# KiCad board FC_V5b.kicad_pcb (continued)
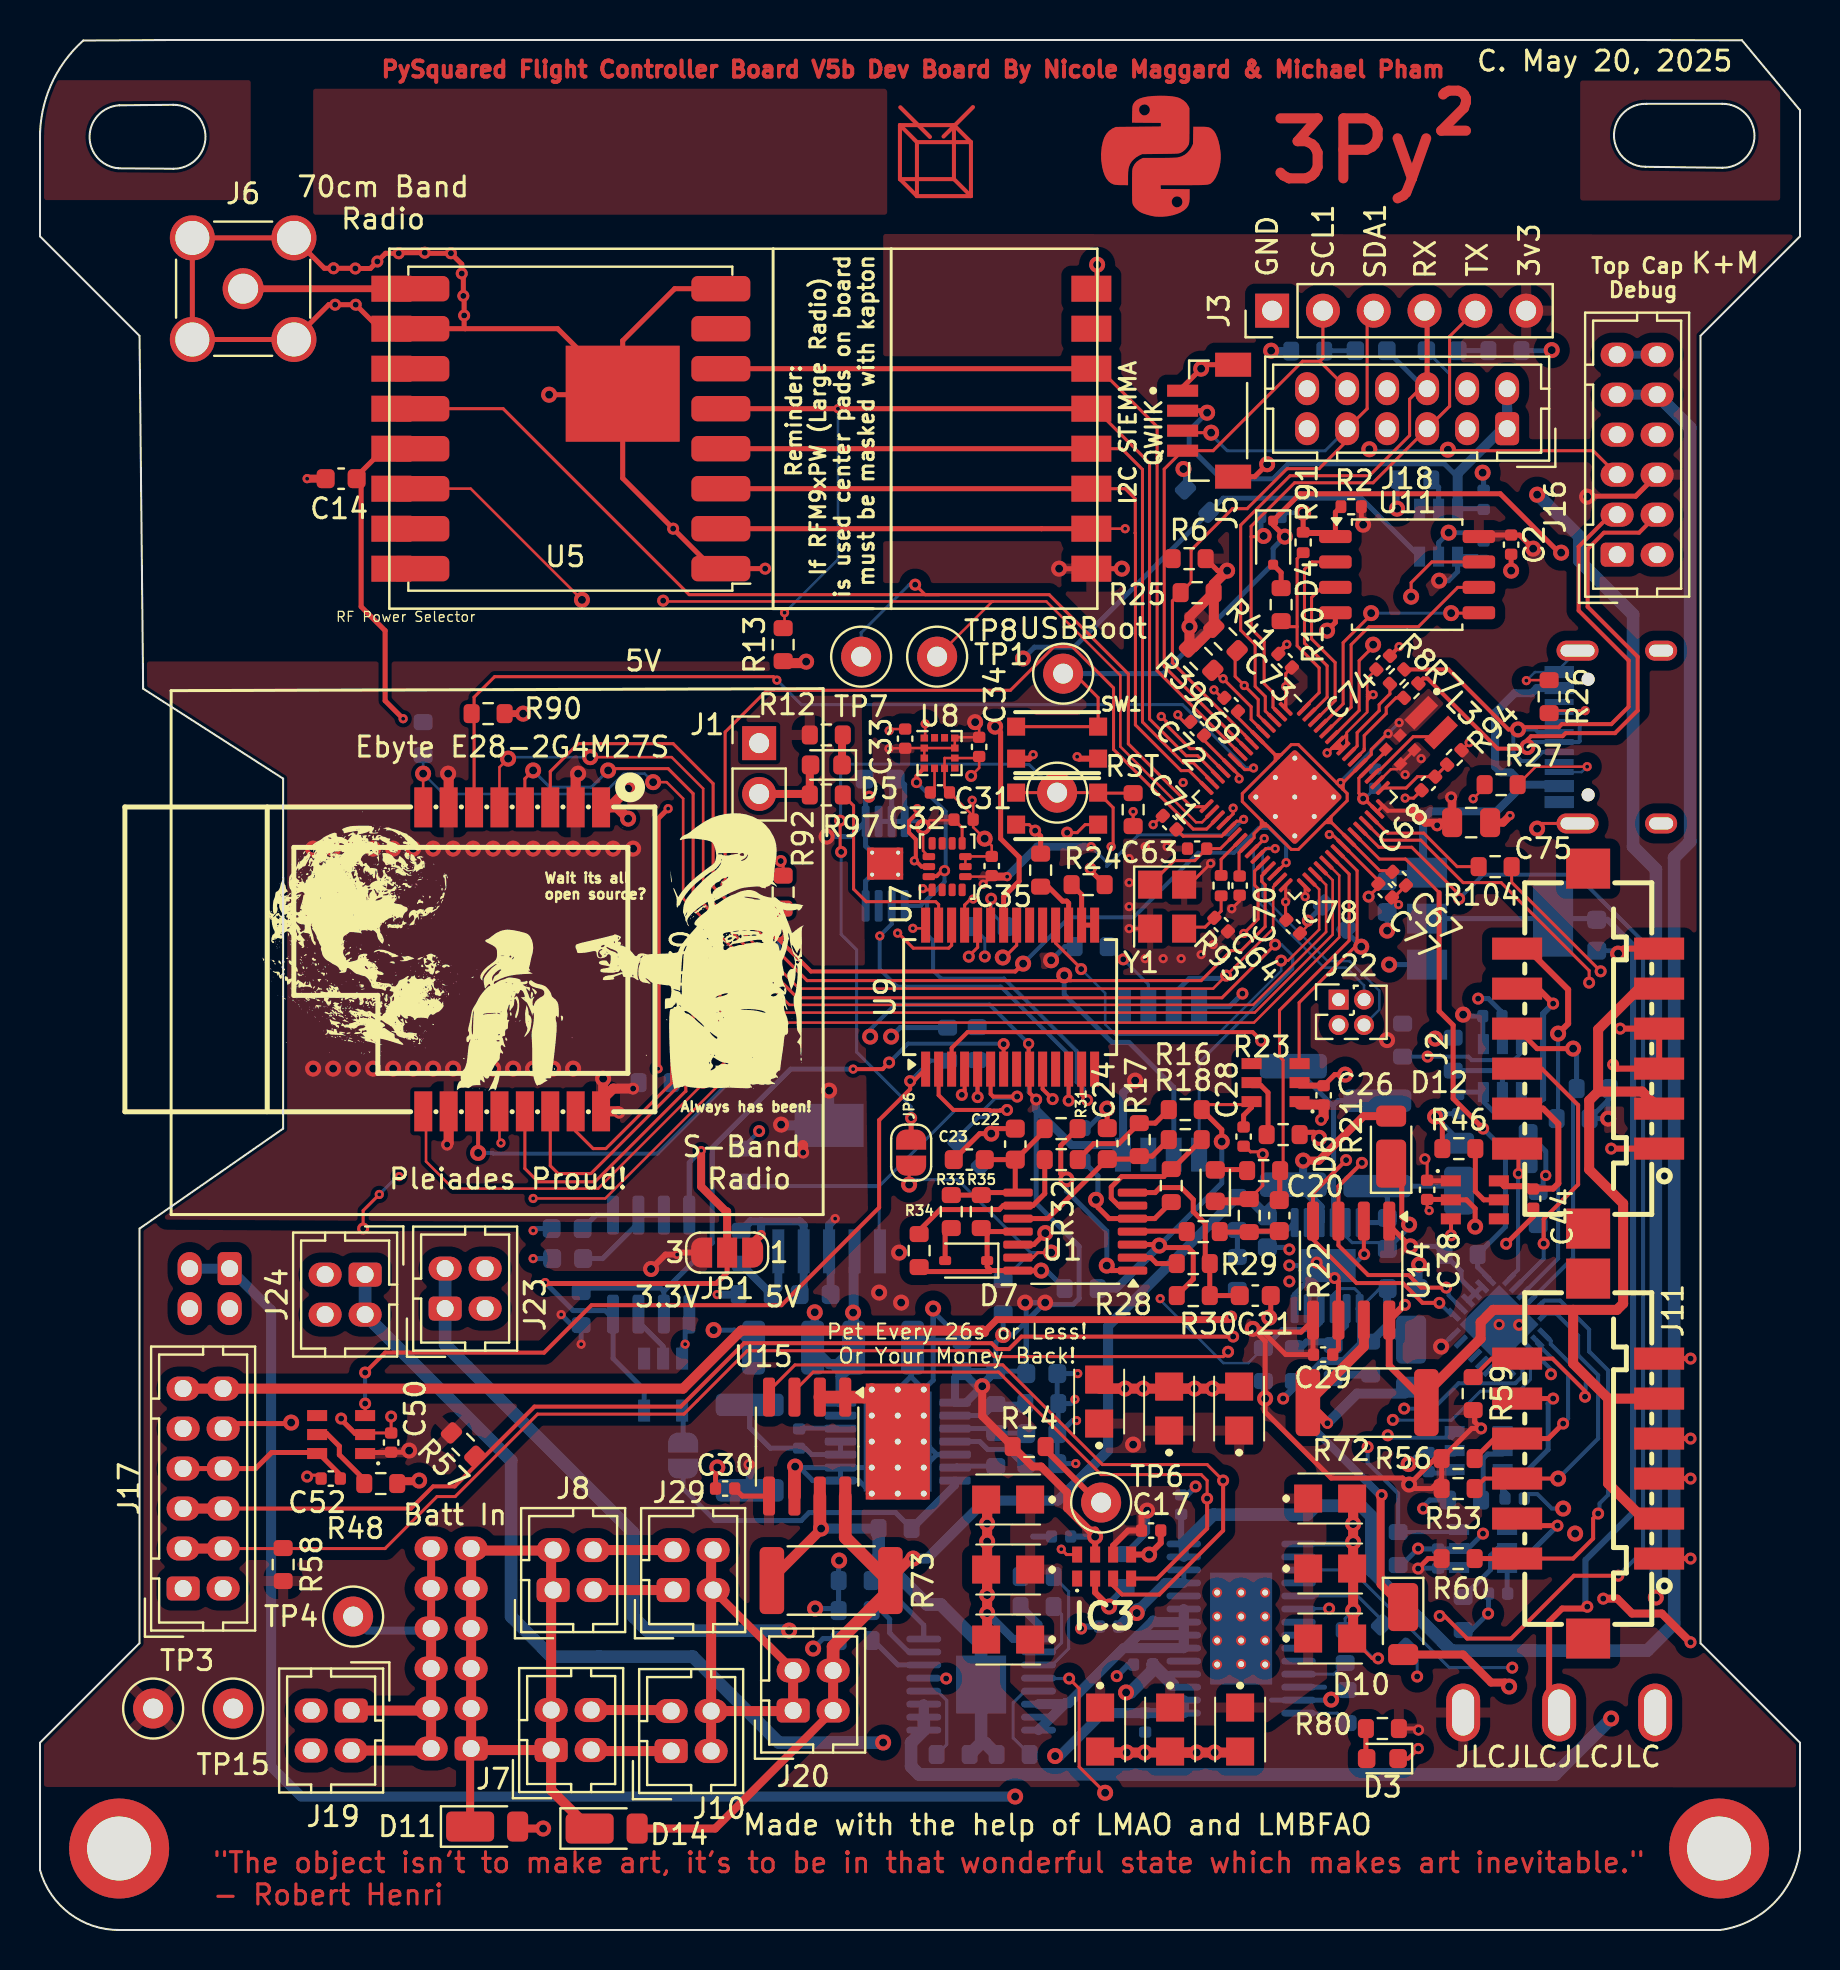
[diagram p0: board, top side]
## Routing (per net, layer and track width the routed paths; a pad name or vN(x,y) marks a point on that pad's centre or on a via; arc(x,y) is an arc through that point) (continued)
+1V1: length 38.8
  Top w0.152: 64.26,55.37 62.92,54.03 62.56,54.03 61.39,55.21 ; 64.26,55.37 64.41,55.52 ; 64.26,55.37 64.58,55.37 ; 61.06,55.17 61.21,55.33 ; 61.06,55.17 61.06,55.18 61.06,55.48 ; 61.06,55.17 61.09,55.21 61.39,55.21 ; 61.06,55.17 60.7,54.82 60.7,54.62 U18.23 59.95,53.87 59.95,52.73 C70.1 ; 61.21,55.33 61.27,55.33 61.39,55.21 ; 61.21,55.33 61.06,55.48 ; 65.14,57.05 64.99,57.2 ; 65.14,57.05 65.16,57.07 65.16,57.37 ; 65.14,57.05 65.36,56.83 65.36,56.48 64.56,55.67 ; 64.99,57.2 64.84,57.35 ; 64.99,57.2 65.16,57.37 ; U18.6 61.76,58.77 61.76,58.47 ; U18.6 61.75,58.77 62.06,58.77 ; U18.6 60.88,59.65 61.91,58.62 ; U18.6 59.9,60.63 C69.1 ; 62.06,58.77 61.91,58.62 ; 62.06,58.77 62.56,59.28 62.91,59.28 64.84,57.35 ; 64.56,55.37 64.56,55.67 ; 64.56,55.37 64.41,55.52 ; 64.56,55.37 64.58,55.37 ; 64.56,55.67 64.41,55.52 ; 64.84,57.35 64.86,57.37 65.16,57.37 ; 61.91,58.62 61.76,58.47 ; 61.06,55.48 60.12,56.43 60.12,56.83 61.76,58.47 ; 65.16,57.37 66.02,58.23 U18.50 66.56,58.78 66.56,59.03 67.27,59.74 67.32,59.74 v3(67.41,59.82) ; C67.1 67.56,52.97 66.98,52.97 U18.39 64.58,55.37
  Bottom w0.152: v3(65.03,57.37) 65.03,57.45 v3(67.41,59.82) v3(67.96,60.37)
/3v3 Spec: length 51.8
  Top w0.3: v2(77.36,16.17) 77.27,16.07 76.1,16.07 75.46,15.43 75.46,11.37 SW3.2
  Bottom w0.25: 77.74,50.57 IC2.4 IC2.2
  Bottom w0.3: 77.84,50.52 78.37,50.52 79.66,49.23 79.66,20.89 77.27,18.5 77.27,16.26 v2(77.36,16.17)
GND: length 406.6
  Top w0.127: C33.2 42.54,60.05 v3(42.46,59.97) ; 67.89,58.05 67.55,58.05 66.86,57.36 ; v2(46.56,57.71) 46.96,58.11 C34.2 46.88,58.6 U8.8 45.23,58.6 ; C32.2 46.66,55.15 v1(47.23,54.57) 47.59,54.22 C35.2 46.28,53.68 U7.7 U7.6 ; C32.2 46.66,56.44 v3(46.61,56.49) ; C32.2 46.66,55.7 C31.2 45.23,57.13 U8.6 45.23,58.61 ; v3(71.66,56.57) 72.23,57.14 R27.1 ; 69.16,58.57 v3(69.06,58.57) ; C78.2 63.39,50.23 v2(63.39,50.47) ; R26.1 74.34,62.5 v3(74.32,62.48)
  Top w0.152: v3(68.26,56.6) 68.68,56.6 C68.2 ; v2(13.36,22.67) 13.42,22.74 14.06,22.74 ; SW2.B' 49.46,55.27 v2(49.76,54.97) ; v2(66.91,13.58) 66.6,13.58 C1028.2 ; C69.2 59.1,61.61 v3(58.7,62.01) ; R22.2 61.14,37.22 v2(61.14,38.8) 61.02,38.91 60.53,38.91 60.18,39.26 ; v2(17.56,25.67) C50.2 16.28,24.85 16.26,24.83 ; J12.S1 75.12,55.33 v1(74.86,55.07) ; C71.2 56.1,55.71 v3(55.66,55.27) ; v3(59.59,51.07) 59.98,51.46 C70.2 ; v2(51.36,54.87) 51.86,54.87 52.26,55.27 SW2.B ; C65.2 C66.2 ; Y1.2 v3(54.46,50.07) ; C72.2 57.2,60.41 56.89,60.72 v3(56.89,60.77) ; C67.2 67.7,51.63 C77.2 67.6,51.6 v3(67.93,51.27) ; 57.73,52.35 57.73,52.54 v3(58.53,53.34) ; v3(69.46,35.97) 69.36,36.07 C38.2
  Top w0.2: D3.1 68.41,8.57 v4(68.91,9.07) ; v2(50.63,41.55) 50.13,42.05 U9.10 ; C74.2 v3(67.96,64.17) ; v2(66.21,33.8) 66.19,33.81 U14.2
  Top w0.25: v2(52.53,53.07) 52.53,52.97 R24.1 ; 60.18,39.26 60.18,39.19 ; U4.17 29.09,76.77 v1(25.46,76.77) ; U4.17 29.13,79.47 31.74,82.07 34.04,82.07 ; U4.17 29.13,72.6 33.66,68.07 v2(36.26,68.07) ; U4.17 25.88,80.07 21.26,80.07 ; C29.1 64.92,29.06 64.92,32.41 v2(64.73,32.6) 64.6,32.6 v2(63.83,33.37) ; 64.18,42.22 64.74,42.77 v1(65.26,42.77) ; v1(52.86,83.27) 52.86,82.36 U4.16 ; C44.2 74.66,35.67 v2(73.31,34.32) ; 21.26,80.07 U5.10 17.57,80.07 U4.2 16.99,80.07 v2(15.79,81.27) v2(14.76,81.27) 14.44,81.27 J6.2 J6.2 J6.2 J6.2 14.22,83.09 v2(14.68,83.09) 15.76,83.09 v2(15.77,83.08) 16.52,83.08 v2(16.87,83.43) 17.28,83.84 v2(17.94,83.84) 17.97,83.87 v2(19.24,83.87) 19.27,83.84 v2(20.55,83.84) 21.09,83.3 v2(21.09,82.83) 21.17,82.75 v2(21.17,81.71) 21.21,81.67 v2(21.21,80.73) 21.21,80.12 21.26,80.07 ; J5.S2 60.74,72.67 v1(61.36,73.3) ; v1(50.26,34.85) 49.69,34.27 U1.12 ; v1(64.36,64.97) 64.77,65.39 U11.4 ; J11.11 v2(82.53,28.57) ; v1(53.36,41.07) 53.36,40.11 C24.1 ; v1(12.56,25.37) 12.51,25.32 9.41,25.32 ; R52.1 50.03,54.7 v2(49.76,54.97) ; C21.1 61.54,30.7 v1(61.46,30.62) ; C2.2 v1(73.56,67.97) ; 16.26,24.83 15.76,24.83 15.06,25.53 v2(15.06,25.57) ; 70.12,38.91 70.12,40.31 v1(69.76,40.67) ; 70.54,36.51 71.32,36.51 71.76,36.07 v1(71.76,35.17) ; 69.24,36.53 70.52,36.53 ; 62.96,39.89 63.68,39.89 v1(63.96,39.61) ; C22.1 47.81,40.07 v1(47.56,39.82) 46.99,39.82 C23.1 ; C30.1 33.78,23.04 v1(33.87,23.13) ; J5.1 57.13,77.15 v1(58.06,78.07) 58.26,78.27 J5.S1 ; J11.7 v2(82.53,24.57) ; J11.5 v2(82.53,22.57) ; v3(62.34,64.29) 61.86,63.8 ; J11.1 v2(82.53,18.57)
  Top w0.3: v3(49.66,58.77) 49.46,58.57 SW1.B' ; J2.1 v2(78.56,39.07) ; IC3.5 v1(55.46,18.77) 56.04,19.35 C17.2 ; 64.18,42.22 64.18,42.22 62.98,42.22 ; SW1.B 51.96,58.57 v3(51.86,58.67) ; J2.11 79.16,49.07 v1(78.91,48.82) ; v2(78.66,43.27) 78.86,43.07 J2.5 J2.7 v2(79.01,45.07)
  Top w0.4: 17.86,22.44 18.92,22.44 v1(18.96,22.47) ; R22.2 60.35,36.44 D6.1 ; v2(78.16,16.57) 78.86,16.57 79.61,15.82 81.09,15.82 v2(82.53,14.39) ; C75.2 73.15,55.37 v3(73.5,55.73) ; C14.1 v3(13.36,72.57) ; v2(61.14,38.8) 61.16,38.78
  Top w0.5: 47.36,18.12 47.36,21.62 47.36,20.37 ; 47.36,16.8 47.36,18.05 47.36,14.55 ; 65.66,18.1 65.66,21.6 65.66,20.35 ; v2(38.16,38.87) 38.16,39.23 38.14,39.25 ; 56.53,8.87 60.03,8.87 ; 56.53,8.87 57.78,8.87 ; 56.53,8.87 53.03,8.87 54.28,8.87 ; v1(26.91,57.82) 26.78,57.7 U30.2 ; U30.16 28.16,41.04 v1(28.16,42.57) ; U30.16 28.05,41.47 28.66,42.07 v2(29.66,42.07) ; U30.16 28.89,40.94 v2(28.96,40.87) ; 65.66,14.67 65.66,18.17 ; v1(20.41,57.82) 20.43,57.8 U30.7 ; 57.68,27.07 56.43,27.07 59.93,27.07 ; U30.10 20.43,39.35 v2(20.36,39.27) ; 56.46,27.07 52.96,27.07 54.21,27.07
  Top w0.635: 38.99,26.65 41.21,26.65 U10.15 ; U15.6 37.72,23.14 v1(37.76,23.17)
  In1.Cu w0.152: v3(57.16,57.38) 57.88,56.66 U18.61
  In1.Cu w0.4: v3(57.16,57.38) 57.81,56.73 62.66,56.73 U18.61 ; U18.61 61.37,55.68 59.02,53.34 v3(58.53,53.34)
  Bottom w0.127: J12.S1 75.96,63.06 J12.A1 74.75,62.9 v3(74.32,62.48)
  Bottom w0.152: R95.2 29.93,42.35 v2(29.66,42.07) ; v1(64.56,11.52) 65.04,12 65.36,12 ; v2(66.91,13.58) 66.67,13.58 R102.2 65.26,15.57 v1(65.66,15.97) ; 29.93,40.97 30.03,40.87
  Bottom w0.2: C43.2 41.23,56.87 41.43,56.67 v2(41.46,56.67) ; v1(76.16,21.07) 75.59,21.07 74.87,21.8 74.21,21.8 ; 46.83,45.12 R78.1 ; v2(75.55,27.79) 75.55,28.04 U12.9 73.31,30.27 v4(72.96,30.27)
  Bottom w0.25: v2(71.91,46.57) 72.42,46.57 73.1,45.89 C47.2 73.12,45.68 73.12,44.3 ; C37.2 50.91,24.87 R40.1 ; C37.2 50.98,24.82 51.63,25.47 v3(51.83,25.47) ; C37.2 C36.2 v3(51.79,23.32) ; v1(44.66,31.07) 44.66,30.22 43.56,29.12 ; v1(44.66,31.07) 44.66,27.49 U10.15 43.56,27.65 43.56,29.12 ; v1(44.66,31.07) 44.66,30.93 46.09,29.5 43.94,29.5 43.56,29.12 ; U10.5 44.84,23.77 ; 44.84,23.77 U10.15 ; 44.84,23.77 U10.15 ; U10.8 40.94,22.47 U10.15 ; U10.8 U10.9 ; U10.8 38.64,22.47 37.94,23.17 v1(37.76,23.17) 37.81,23.12 U10.9 ; U10.9 U10.15 ; v2(60.12,46.83) 59.47,46.17 U2.4 ; 70.73,23.8 69.51,23.8 C53.2 69.01,23.88 v1(68.43,23.3) ; U16.5 40.52,54.67 v1(39.33,54.67) ; U16.5 41.28,56.5 v2(41.46,56.67) ; U16.5 41.28,54.2 U16.9 ; 39.93,14.57 39.16,14.57 v1(38.66,14.07) ; U16.9 41.28,52.45 U16.4 ; v2(62.47,34.03) 62.37,34.13 C42.2 ; v3(51.89,27.82) C16.1 50.86,26.37 R40.1 ; U6.1 65.56,19.3 v1(65.66,19.4) ; U10.15 43.56,27.7 43.56,29.12 ; IC6.6 62.73,31.8 64.16,33.22 IC6.13 ; 64.24,11.49 U6.13 61.58,11.49 ; R40.1 51.54,26.32 v3(51.75,26.53) ; v1(78.91,48.82) 78.76,48.97 C13.2 ; v1(53.36,41.07) 52.38,40.1 52.16,40.1 ; 32.46,30.8 32.26,30.59 v3(32.26,29.29) 32.11,29.14 U20.3 ; IC6.13 65.64,33.22 66.19,33.77 ; IC6.13 65.66,33.22 ; IC6.13 65.39,33.22 ; IC6.13 62.48,33.22 v2(62.47,33.23) ; v1(67.36,49.97) C12.2 ; v1(72.13,72.87) 72.18,72.82 C80.2 ; R86.1 64.17,51.25 v2(63.39,50.47) ; C79.2 71.76,69.87 v1(70.43,69.87) 69.93,69.37 U29.2 ; R74.1 60.14,32.01 ; R79.1 57.27,72.96 v1(57.17,73.06) ; R76.1 68.08,18.25 v2(68.91,19.07) 68.93,19.05 C49.2 70.94,19.05 U22.2 71.4,19.07 v2(72.15,19.82) ; C25.2 35.61,29.12 34.73,30 v1(33.68,30) ; v1(38.76,16.07) 39.93,16.07 R55.2 39.93,18.45 ; v1(67.86,71.07) 67.86,72.46 R50.1 ; v1(75.58,79) 75.56,78.97 R4.2 74.07,78.81 ; R77.1 43.01,45.12 v1(42.56,44.67) ; C51.2 72.43,15.84 v2(72.41,15.82) 71.58,15 R47.1 ; 72.07,72 72.07,72.04 ; v3(24.66,34.97) 24.76,35.07 C46.2 ; 71.02,40.82 69.9,40.82 v1(69.76,40.67) 70.96,39.47 D13.2 ; U6.12 64.23,12.14 ; v2(69.16,21.07) 69.16,21.17 69.48,21.5 R49.1 ; v1(67.46,48.27) IC2.1 ; C45.2 v3(24.66,33.57)
  Bottom w0.3: v1(69.76,44.57) 70.67,44.57 70.72,44.62 70.76,44.59 ; v2(53.84,12.69) 54.42,13.27 C57.2 ; 74.1,78.94 R4.2 ; C56.2 52.16,15.17 v2(52.06,15.07) ; v2(57.78,22.18) 57.35,21.75 C54.2 ; C18.2 49.66,19.67
  Bottom w0.342: v2(62.16,26.57) 62.72,27.13 R69.1
  Bottom w0.4: R64.2 v3(33.86,31.77) ; v3(39.76,35.57) 39.46,35.27 U13.3 39.53,33.86 C39.1 ; R81.2 49.93,15.28 U25.1 48.65,14.55 v1(47.36,15.85) ; J16.11 J16.12 ; v1(68.96,33.27) 68.93,33.25 C40.2 ; v1(61.56,78.97) 61.58,78.95 R3.2
  Bottom w0.5: v1(39.46,41.97) U13.6 37.09,40.24 v1(37.06,40.27)
  vias: v1(13.66,54.07) v1(13.66,43.07) v1(14.66,54.07) v1(14.66,43.07) v1(15.66,54.07) v1(15.66,43.07) v1(16.66,54.07) v1(16.66,43.07) v1(17.66,54.07) v1(17.66,43.07) v1(18.66,54.07) v1(18.66,43.07) v1(19.66,54.07) v1(19.66,43.07) v1(20.66,54.07) v1(20.66,43.07) v1(21.66,54.07) v1(21.66,43.07) v1(22.66,54.07) v1(22.66,43.07) v1(23.66,54.07) v1(23.66,43.07) v1(24.66,54.07) v1(24.66,43.07) v1(25.66,54.07) v1(25.66,43.07) v1(26.66,54.07) v1(26.66,43.07) v1(27.66,54.07) v1(28.66,54.07) v1(29.66,54.07) v1(39.96,18.47) v1(47.36,20.32) v1(47.36,19.42) v1(47.36,16.75) v1(54.26,27.07) v1(54.33,8.87) v1(55.16,27.07) v1(55.23,8.87) v1(57.73,27.07) v1(57.83,8.87) v1(58.63,27.07) v1(58.73,8.87) v1(65.66,20.3) v1(76.76,19.82) v2(31.66,70.07) v2(62.47,32.43) v2(73.96,30.26) v3(54.46,53.57) v3(54.46,52.37) v3(54.46,51.17) v3(55.26,54.17) v3(55.26,48.57) v3(56.16,48.57) v3(56.36,54.17) v3(57.06,48.57) v3(58.06,48.77) v3(58.66,49.27) v3(68.26,57.77)
VBatt: length 36.6
  Top w0.4: 21.56,8.97 21.51,8.92 D11.1
  Top w0.5: J7.1 25.56,7 27.48,5.07 ; J7.1 25.56,19 ; J7.1 21.58,9 21.56,8.97 21.56,18.97 25.53,18.97 25.56,19
VBATT_SENSE: length 67.6
  Top w0.4: D12.2 66.17,40.7 63.95,38.47 v1(63.16,38.47) ; J20.2 33.76,5.07 D14.2
  Top w0.5: J20.4 J20.2 ; v1(43.66,18.57) 43.52,18.57 42.42,17.47
  Top w0.635: J20.4 39.66,14.17 42.42,16.94 42.42,17.47 40.26,19.63 U15.8
  Bottom w0.25: 62.86,37.27 R75.1
  Bottom w0.4: IC6.9 64.03,36.16 62.92,37.27 R75.1 63.16,37.76 v1(63.16,38.47)
  Bottom w0.5: v1(43.66,18.57) 44.36,18.57 47.26,21.47 50.9,21.47 53.41,23.98 53.41,30.2 R71.2 60.39,36.66 C42.1 61.37,35.97 R75.1
VBUS: length 21.1
  Bottom w0.25: C12.1 67.78,52.87 IC2.3 69.07,53.16
  Bottom w0.4: IC2.3 69.16,53.07 69.16,55.57 69.52,55.94 72.82,55.94 74.16,57.27 ; J12.A4 74.84,62.1 74.58,61.85 73.73,61.85 72.76,60.87 72.76,58.17 73.05,57.88 73.55,57.88 74.16,57.27 ; J12.A9 75.89,57.27 74.16,57.27
VBUS_RESET: length 31.6
  Top w0.2: v2(42.46,43.38) 42.13,43.05 42.13,43.05 v3(40.66,43.05) ; U9.7 v2(48.18,44.3)
  Bottom w0.2: v2(48.18,44.3) 48.16,44.32 43.4,44.32 v2(42.46,43.38)
  Bottom w0.25: R42.1 27.26,32.1 31.03,32.1 31.19,31.94 ; 31.19,31.94 31.19,30.8 ; 31.19,31.94 33.61,34.36 33.61,39.13 37.53,43.05 v3(40.66,43.05)
VBUSP: length 53.8
  Top w0.5: 36.49,17.47 39.06,20.04 v1(39.06,20.07)
  Top w0.635: 38.99,21.7 38.99,20.14 v1(39.06,20.07)
  In2.Cu w0.4: v1(40.66,30.87) 38.75,30.87 v1(38.74,30.89)
  In2.Cu w0.5: v1(40.66,30.87) 39.66,29.87 ; 39.66,29.87 39.66,20.87 39.06,20.27 v1(39.06,20.07) ; 39.66,29.87 39.66,29.97 v1(38.74,30.89)
  Bottom w0.4: C25.1 38.74,29.23 v1(38.74,30.89)
  Bottom w0.5: C19.1 40.68,30.85 v1(40.66,30.87) 40.66,28.31 40.03,27.68 ; C19.1 39.85,28.29 39.66,28.29 ; C19.1 40.68,33.08 ; C25.1 39.47,28.29 39.66,28.29 ; 40.03,27.68 40.03,27.92 39.66,28.29 ; 40.03,27.68 U10.14 ; v1(39.06,20.07) R124.1
  Bottom w0.635: 47.06,9.35 47.26,9.35 R84.1 ; 47.06,9.35 R83.1 ; 47.06,9.35 U25.17 47.06,14.26 45.04,16.27 44.36,16.27 41.93,18.7 R124.1
/Power Systems/Load Switches/Deploy1_EN: length 58.7
  Top w0.152: R104.1 73.58,52.39 v2(78.03,47.94)
  In2.Cu w0.152: v2(78.03,47.94) 79.96,46.02 79.96,19.57 73.61,13.23 v2(73.61,13.12)
  Bottom w0.152: v2(73.61,13.12) 70.46,13.12 65.57,18 U6.3 U6.4
/Power Systems/Load Switches/Deploy2_EN: length 49.4
  In2.Cu w0.152: v2(64.46,16.07) 62.48,18.05 54.8,18.05 54.68,18.17 54.68,23.29 53.98,23.99 53.98,25.02 51.38,27.61 51.38,27.98 44.96,34.41 44.96,46.37 47.24,48.66 v2(47.24,48.68)
  Bottom w0.152: v2(64.46,16.07) 62.95,16.07 U6.6 ; v2(47.24,48.68) 47.24,49.57 R103.1
/Power Systems/Load Switches/Heater_EN: length 4.9
  Bottom w0.152: U6.5 65.88,16.7 67.07,15.52 R100.1
/Power Systems/Load Switches/High Power Interstage: length 18.1
  Bottom w0.5: 54.26,14.09 54.91,14.74 ; 54.26,14.09 U6.20 U6.23 ; 54.26,14.09 54.18,14.09 51.43,11.35 51.28,11.35 ; 54.91,14.74 54.93,14.74 55.66,15.47 55.74,15.39 U6.22 ; 54.91,14.74 U6.21 ; 51.28,11.35 U25.8 ; 51.28,11.35 51.23,11.29 U25.6
/Power Systems/Load Switches/ILIM1: length 4.4
  Bottom w0.152: R84.2 48.66,9.6 48.66,11.36 49.24,11.94 U25.5
/Power Systems/Load Switches/ILIM2: length 4.3
  Bottom w0.152: R83.2 45.34,9.28 45.34,11.48 44.87,11.94 U25.12
/Power Systems/V_RF: length 8.7
  Top w0.4: v3(36.06,34.77) 35.66,34.37 JP1.1
  Bottom w0.4: 36.06,35.44 37.99,35.44 38.19,35.24 U13.4 38.19,31.98 C39.2 ; 36.06,35.44 35.52,35.44 R63.1 ; 36.06,35.44 v3(36.06,34.77)
/RP2350AHHHHHHHHH/FLASH_SS: length 5.4
  Top w0.25: U11.1 64.77,70.9 R2.2 ; R91.2 v1(63.16,70.87)
  Top w0.3: 64.96,69.86 63.28,69.86
  Bottom w0.25: v1(63.16,70.87) 62.27,70.87 R9.2
/RP2350AHHHHHHHHH/QSPI_SCLK: length 12.5
  Top w0.152: U11.6 70.89,67.14 68.92,65.17 66.46,65.17 65.56,64.27 65.56,61.15 64.31,59.9
/RP2350AHHHHHHHHH/QSPI_SD0: length 12.1
  Top w0.152: 64.03,60.19 65.16,61.31 65.16,64.37 66.56,65.77 v1(66.56,65.85) ; v1(70.56,65.85) 71.93,65.85 U11.5
  Bottom w0.152: v1(66.56,65.85) v1(70.56,65.85)
/RP2350AHHHHHHHHH/QSPI_SD1: length 9.8
  Top w0.152: U11.2 63.59,68.41 63.22,68.04 63.22,64.35 64.36,63.22 64.36,61.65 63.46,60.75
/RP2350AHHHHHHHHH/QSPI_SD2: length 8.5
  Top w0.152: U11.3 64.09,67.14 63.58,66.63 63.58,64.56 64.76,63.38 64.76,61.48 63.74,60.47
/RP2350AHHHHHHHHH/QSPI_SD3: length 13.2
  Top w0.152: U11.7 69.59,68.41 68.56,67.37 v1(68.56,66.67) ; v1(66.66,64.27) 66.43,64.05 66.43,63.95 65.96,63.47 65.96,60.98 64.59,59.62
  In1.Cu w0.152: v1(68.56,66.67) 68.56,66.17 v1(66.66,64.27)
/RP2350AHHHHHHHHH/VREG_AVDD: length 3.7
  Top w0.152: U18.46 68.31,57.11 68.87,57.67 C68.1 R94.2
/RP2350AHHHHHHHHH/VREG_LX: length 4.4
  Top w0.152: L3.2 69.85,59.67 68.66,59.67 67.01,58.03 66.94,58.03 U18.48
/RP2350AHHHHHHHHH/XIN: length 5
  Top w0.152: U18.21 59.03,54.07 C63.1 57.74,53.47 56.71,53.47 56.03,52.8 56.03,52.35
/RP2350AHHHHHHHHH/XOUT: length 2.2
  Top w0.152: U18.22 59.06,53.54 R93.1
/Watchdog Circuit/WDT-VP: length 6.9
  Top w0.25: v1(52.8,36.52) 52.9,36.42 52.9,36.13 53.46,35.57 U1.5 55.74,35.57 R19.2
  Bottom w0.25: v1(52.8,36.52) 52.9,36.62 52.9,37.71 52.16,38.45
B-: length 22.2
  Top w0.4: 19.56,18.97 19.56,14.97
  Top w0.5: 19.56,10.97 19.56,14.97 ; 19.56,10.97 J19.1 ; 19.56,10.97 19.56,8.97 J19.3
  Bottom w0.4: TP4.1 16.36,14.97 19.56,14.97
BOOTSEL: length 9.6
  Top w0.152: 62.86,65.17 62.86,68.57 R91.1 ; 62.86,65.17 62.33,65.17 R10.1 ; 62.86,65.17 62.86,64.22 63.96,63.12 63.96,61.87 63.19,61.11 U18.60
DEPLOY1: length 97.1
  Bottom w0.3: C54.1 57.06,19.43 U6.28
  Bottom w0.5: J16.9 J16.10 ; U6.27 U6.28
  Bottom w0.635: U6.28 58.66,20.77 63.36,20.77 63.8,21.22 66.04,21.22 66.58,20.68 66.58,17.96 70.56,13.97 80.37,13.97 81.71,15.32 81.71,53.63 82.51,54.43 82.51,75.12 J16.10
DEPLOY1_AUX: length 54.9
  In2.Cu w0.635: v1(37.46,14.97) 37.48,14.99 40.84,14.99 44.36,11.47 46.16,11.47 48.16,13.47 52.46,13.47 v1(54.83,15.85)
  Bottom w0.25: U6.26 U6.25
  Bottom w0.5: U6.25 56.26,17.35 55.06,16.15 55.06,16.07 54.84,16.07 C56.1
  Bottom w0.635: J23.3 20.26,29.27 29.66,19.87 29.66,15.67 30.36,14.97 v1(37.46,14.97)
DEPLOY2: length 58
  In2.Cu w0.635: v1(42.16,9.37) 46.26,9.37 48.66,11.77 51.1,11.77 51.12,11.76 51.8,11.76 51.81,11.77 54.2,11.77 v1(54.3,11.88)
  Bottom w0.635: v1(54.3,11.88) 54.53,11.88 55.64,12.99 C57.1 56.65,12.26 ; v1(42.16,9.37) 36.94,9.37 32.64,13.67 25.56,13.67 23.56,15.67 23.56,23.47 J24.3 J24.1
Dir_Chrg_In: length 129.6
  Top w0.4: v1(73.46,12.17) 73.26,12.37 72.56,12.37 71.16,13.77 D10.2 ; D11.2 23.98,5.07 v1(25.16,5.07)
  In2.Cu w0.4: v1(25.16,5.07) 59.66,5.07 61.45,6.86 71.42,6.86 73.46,8.9 v1(73.46,12.17) 74.16,12.17 75.56,13.57 76.16,13.57 80.66,18.07 80.66,36.81 81.84,37.99 81.84,52.97 79.81,55.01 79.81,65.42 82.08,67.7 82.08,73.55 J16.8
ENAB_RF: length 21.6
  Top w0.2: U9.6 47.53,41.8 47.66,41.67 v2(48.86,41.67)
  Bottom w0.152: v2(48.86,41.67) 48.77,41.59 47.76,41.59 47.2,41.02 45.78,41.02 41.96,37.2 41.96,33.98 U13.1
  Bottom w0.2: R89.2 35.31,37.2 41.96,37.2
ENABLE_Heater: length 57.7
  Top w0.152: 48.83,50.25 48.83,49.24 48.22,48.63 v1(48.14,48.63)
  In2.Cu w0.152: v2(68.86,12.67) 70.56,14.38 70.56,15.94 69.73,16.77 64.46,16.77 62.66,18.57 60.36,18.57 56.76,22.17 56.76,27.77 52.23,32.3 49.78,32.3 45.46,36.62 45.46,45.95 v1(48.14,48.63)
  Bottom w0.152: R100.2 68.86,13.47 v2(68.86,12.67)
F0_PWR: length 8.6
  Top w0.3: U19.6 73.21,37.19 74.39,37.19 74.51,37.07 75.66,37.07 75.92,37.33 75.92,40.31 75.16,41.07 J2.4
F0_SCL: length 15.1
  Top w0.2: v2(75.18,34.32) 75.18,35.55 76.91,37.28 76.91,41.25 75.08,43.07 J2.6
  Bottom w0.2: U12.2 75.18,33.56 v2(75.18,34.32) 75.18,35.22 75.16,35.25
F0_SDA: length 8.2
  Top w0.2: J2.2 73.92,39.01 v4(73.92,37.82)
  Bottom w0.2: U12.1 73.45,32.57 73.91,33.02 73.91,37.75 R62.1 74.41,38.06 74.17,37.82 v4(73.92,37.82)
F1_PWR: length 12.7
  Top w0.3: v2(75.66,46.32) 74.91,47.07 J2.10
  Bottom w0.152: U21.6 72.17,41.46
  Bottom w0.25: 72.17,41.9 71.14,41.9 71.02,41.78 ; U21.6 72.17,41.42 72.74,40.85 74.45,40.85 75.16,41.56
  Bottom w0.3: 75.16,41.56 75.16,45.82 v2(75.66,46.32)
F1_SCL: length 16.8
  Top w0.25: v1(76.66,44.07) 74.86,44.07 J2.8
  Bottom w0.2: R45.1 76.66,41.9 76.66,33.62 U12.4
  Bottom w0.25: R45.1 76.83,43.9 v1(76.66,44.07)
F1_SDA: length 19.5
  Top w0.3: J2.12 74.36,49.07 76.41,47.03 76.41,45.32 v1(75.91,44.82)
  Bottom w0.2: U12.3 75.91,33.58 v1(75.91,44.82)
F2_PWR: length 6.9
  Top w0.25: J11.4 74.21,20.22 v2(75.87,20.22)
  Bottom w0.25: v2(75.87,20.22) 73.78,18.12 U22.6 73.36,16.85 C51.1
F2_SCL: length 14.9
  Top w0.2: R53.1 72.23,22.57 J11.6 v1(75.91,22.57)
  Bottom w0.2: v1(75.91,22.57) 77.91,24.57 77.91,27.75 76.91,28.75 76.91,29.72 75.81,30.82 75.28,30.82 U12.6
F2_SDA: length 20.8
  Top w0.2: J11.2 76.66,18.57 77.66,19.57 77.66,20.57 v2(77.91,20.82)
  Top w0.25: R60.1 J11.2
  Bottom w0.2: U12.5 75.22,31.48 76.01,31.48 77.46,30.02 77.46,28.92 78.41,27.97 78.41,21.76 77.97,21.32 77.97,20.89 v2(77.91,20.82)
F3_PWR: length 8.6
  Top w0.25: v2(75.66,26.57) J11.10
  Bottom w0.25: 73.13,22.02 73.35,21.8 ; v2(75.66,26.57) 75.41,26.32 75.41,24.02 74.23,22.85 73.13,22.85 73.13,21.92 73.25,21.8
F3_SCL: length 10
  Top w0.25: R56.1 72.73,24.57 J11.8 75.41,24.57 v2(76.16,25.32)
  Bottom w0.2: v2(76.16,25.32) 76.41,25.57 76.41,27.78 74.87,29.32 U12.8
F3_SDA: length 10.9
  Top w0.2: R59.1 72.58,28.57 J11.12 75.63,28.57 77.25,26.95 v2(77.25,26.67)
  Bottom w0.2: U12.7 75.54,29.46 75.54,29.29 77.29,27.55 77.29,26.7 v2(77.25,26.67)
F4_PWR: length 8.7
  Top w0.25: 15.02,22.74 15.02,22.75 13.89,23.88 11.58,23.88 10.78,23.07 J17.8 J17.7
F4_SCL: length 73.7
  Top w0.2: v2(59.66,29.67) 49.07,29.67 48.45,29.05 47.87,29.05 47.57,29.34 35.21,29.34 32.04,26.17 24.72,26.17 20.73,22.18 19.66,22.18 18.55,21.07 J17.6
  Top w0.5: J17.5 J17.6
  In2.Cu w0.2: v2(59.66,29.67) 60.04,29.29 64.99,29.29 v2(68.21,26.07)
  Bottom w0.2: v2(68.21,26.07) 69.67,26.07 70.93,27.34 73.77,27.34 74.12,27.7 74.12,28.05 U12.11
F4_SDA: length 75.4
  Top w0.152: v2(59.4,28.92) 59.16,28.67 47.71,28.67 47.42,28.97 35.36,28.97 32.19,25.8 24.88,25.8 20.76,21.67 19.85,21.67 17.25,19.07 J17.4
  Top w0.5: J17.3 J17.4
  In2.Cu w0.152: v2(59.4,28.92) 64.51,28.92 67.64,25.79 v2(67.64,25.51)
  Bottom w0.152: U12.10 74.52,28.36 74.52,28.22 74.52,28.21 74.52,27.53 73.93,26.94 72.02,26.94 70.58,25.5 67.97,25.5 67.96,25.51 v2(67.64,25.51)
FACE0_ENABLE: length 36.1
  Top w0.2: v2(48.35,41.01) 48.04,41.01 48.01,40.97 47.51,40.97 47.48,41.01 45.67,41.01 44.93,41.75 U9.2 ; 70.54,35.56 70.55,35.55 v2(70.55,34.74)
  In2.Cu w0.2: v2(48.35,41.01) 48.66,40.7 48.66,39.12 52.21,35.57 67.76,35.57 68.7,36.51 69.68,36.51 70.55,35.63 v2(70.55,34.74)
  Bottom w0.2: v2(48.35,41.01) 48.32,40.97 47.68,40.97 47.35,40.65 46.93,40.65 45.9,39.62 R67.2
FACE1_ENABLE: length 32.3
  Top w0.2: v2(61.06,44.47) 60.63,44.9 46.38,44.9 45.58,44.1 U9.3
  In2.Cu w0.2: v2(69.38,43.67) 62.22,43.67 61.42,44.47 v2(61.06,44.47)
  Bottom w0.2: 74.07,44.3 74.07,43.87 73.7,43.5 71.59,43.5 71.42,43.67 v2(69.38,43.67) R68.2
FACE2_ENABLE: length 38.9
  Top w0.2: v2(46.09,41.76) 46.09,41.86 46.23,42.01 U9.4
  In2.Cu w0.2: v2(46.09,41.76) 46.09,41.51 46.36,41.24 46.36,38.72 47.58,37.5 48.6,37.5 52.64,33.47 52.64,32.93 57.79,27.78 62.76,27.78 v2(66.38,24.15)
  Bottom w0.2: v2(66.38,24.15) 66.38,23.36 67.91,21.83 R76.2 70.83,19.9 U22.3
FACE3_ENABLE: length 36.3
  Top w0.2: U9.5 v2(46.88,41.65)
  In2.Cu w0.2: v2(46.88,41.65) 46.86,41.62 46.86,38.95 47.91,37.9 48.77,37.9 52.62,34.05 53.5,34.05 54.31,33.25 54.31,32.52 58.52,28.31 63.74,28.31 67.32,24.74 v2(67.39,24.74)
  Bottom w0.2: R78.2 46.86,41.67 v2(46.88,41.65) ; v2(67.39,24.74) 67.5,24.62 70.61,24.62 70.73,24.75
FACE4_ENABLE: length 41.5
  Top w0.152: v2(16.26,26.32) 16.26,25.78
  Top w0.2: U9.1 43.68,42.45 v2(43.51,42.45) 43.51,42.05 41.96,40.5 41.96,36.12 37.08,31.24 27.58,31.24 25.21,28.87 17.26,28.87 v2(16.26,27.87)
  Bottom w0.2: R77.2 44.53,43.47 v2(43.51,42.45) ; v2(16.26,27.87) v2(16.26,26.32)
FC_RESET: length 94.5
  Top w0.152: SW2.A 52.93,56.85 R1.2 ; SW2.A 53.66,56.12 53.66,54.27 v3(53.56,54.17) ; SW2.A SW2.A' ; v2(40.01,55.47) 40.01,53.96 v2(40.06,53.91) ; U18.26 60.73,52.95 60.73,52.25 60.9,52.07 60.9,50.55 v3(60.19,49.83)
  Top w0.25: v2(43.56,40.6) JP6.2
  In2.Cu w0.152: 64.83,46.82 64.11,46.82 64.06,46.87 62.26,46.87 60.26,48.87 60.26,49.76 v3(60.19,49.83) 59.85,50.17 57.4,50.17 54.69,52.88 54.35,52.88 53.56,53.67 v3(53.56,54.17) ; TP2.1 55.36,56.87 56.37,57.89 57.17,57.89 63.06,63.77 64.61,63.77 66.01,65.17 77.26,65.17 J16.2
  Bottom w0.152: v2(40.01,55.47) 40.03,55.5 40.03,57.95 40.38,58.3 49.03,58.3 49.06,58.27 49.46,58.27 TP2.1 ; v2(43.56,40.6) 43.56,41.17 40.83,43.9 40.83,49.02 40.06,49.79 v2(40.06,53.91)
FIRE_DEPLOY1_A: length 84.9
  Top w0.152: v2(77.46,47.37) 77.46,47.97 73.06,52.37 71.16,52.37 69.03,54.5 67.16,54.5 U18.42 ; v1(53.26,6.86) 51.96,8.16 51.96,12.07 v2(51.46,12.57)
  In2.Cu w0.152: v2(77.46,47.37) 77.46,42.67 79.36,40.77 79.36,19.77 72.66,13.07 72.66,9.27 70.76,7.37 53.86,7.37 53.35,6.86 v1(53.26,6.86)
  Bottom w0.152: v2(51.46,12.57) 49.95,12.57 U25.4
FIRE_DEPLOY1_B: length 6.4
  Top w0.152: R104.2 70.86,53.17 69.18,54.85 67.37,54.85 U18.43
FIRE_DEPLOY2_B: length 3
  Top w0.152: U9.23 47.53,51.55 v2(47.56,51.57)
  Bottom w0.152: R103.2 47.56,50.9 v2(47.56,51.57)
Heater Output: length 76.4
  In2.Cu w0.5: v1(50.76,8.7) 50.76,8.67 v1(48.76,6.67)
  Bottom w0.5: v1(50.76,8.7) 50.98,8.7 53.13,10.84 U6.15 U6.16 ; v1(48.76,6.67) 13.06,6.67 11.56,8.17 11.56,31 J21.1 J21.3
PAYLOAD_BATT: length 115.2
  In2.Cu w0.635: v1(74.86,71.77) 70.66,71.77 J18.7 J18.8 ; v1(80.79,16.62) 80.79,13.44 78.56,11.21 v1(78.56,10.57)
  Bottom w0.5: U25.11 U25.10
  Bottom w0.635: v1(74.86,71.77) 74.88,71.77 76.98,69.68 76.98,68.46 79.66,65.77 79.66,54.17 80.79,53.04 v1(80.79,16.62) ; U25.10 U25.9 43.56,9.36 43.56,8.17 43.95,7.78 75.76,7.78 v1(78.56,10.57)
PAYLOAD_BATT_ENABLE: length 44.4
  Top w0.152: U9.24 46.88,49.14 46.44,48.7 v2(46.44,48.67)
  In2.Cu w0.152: v2(46.44,48.67) 44.56,46.79 44.56,34.31 50.56,28.31 50.56,17.82 v2(45.31,12.57)
  Bottom w0.152: U25.13 44.21,12.57 v2(45.31,12.57)
PAYLOAD_PWR: length 28.9
  Top w0.25: J5.2 58.26,75.97 v1(58.36,75.87)
  Bottom w0.25: v1(58.36,75.87) 57.46,74.97 57.46,74.17 59.06,72.57 61.66,72.57 62.41,73.32 70.21,73.32 70.88,72.65 U29.6 72.03,71.07 72.07,71.04 ; 73.26,75.07 J18.1